# Altium PCB Lay-51943_B.brd.PcbDoc (part 7 of 8)
Units mil, origin at the board's own origin, x right, y up, seen from the top; angles counter-clockwise.
Board outline 2903.05 x 2405.84 mil, 6 copper layers (TOP, L2_GND_1, L3_INT_1, L4_PWR, L5_GND_2, BOTTOM), stack 60.244 mil thick; 568 components, 400 nets, 2143 pads, 1138 vias.
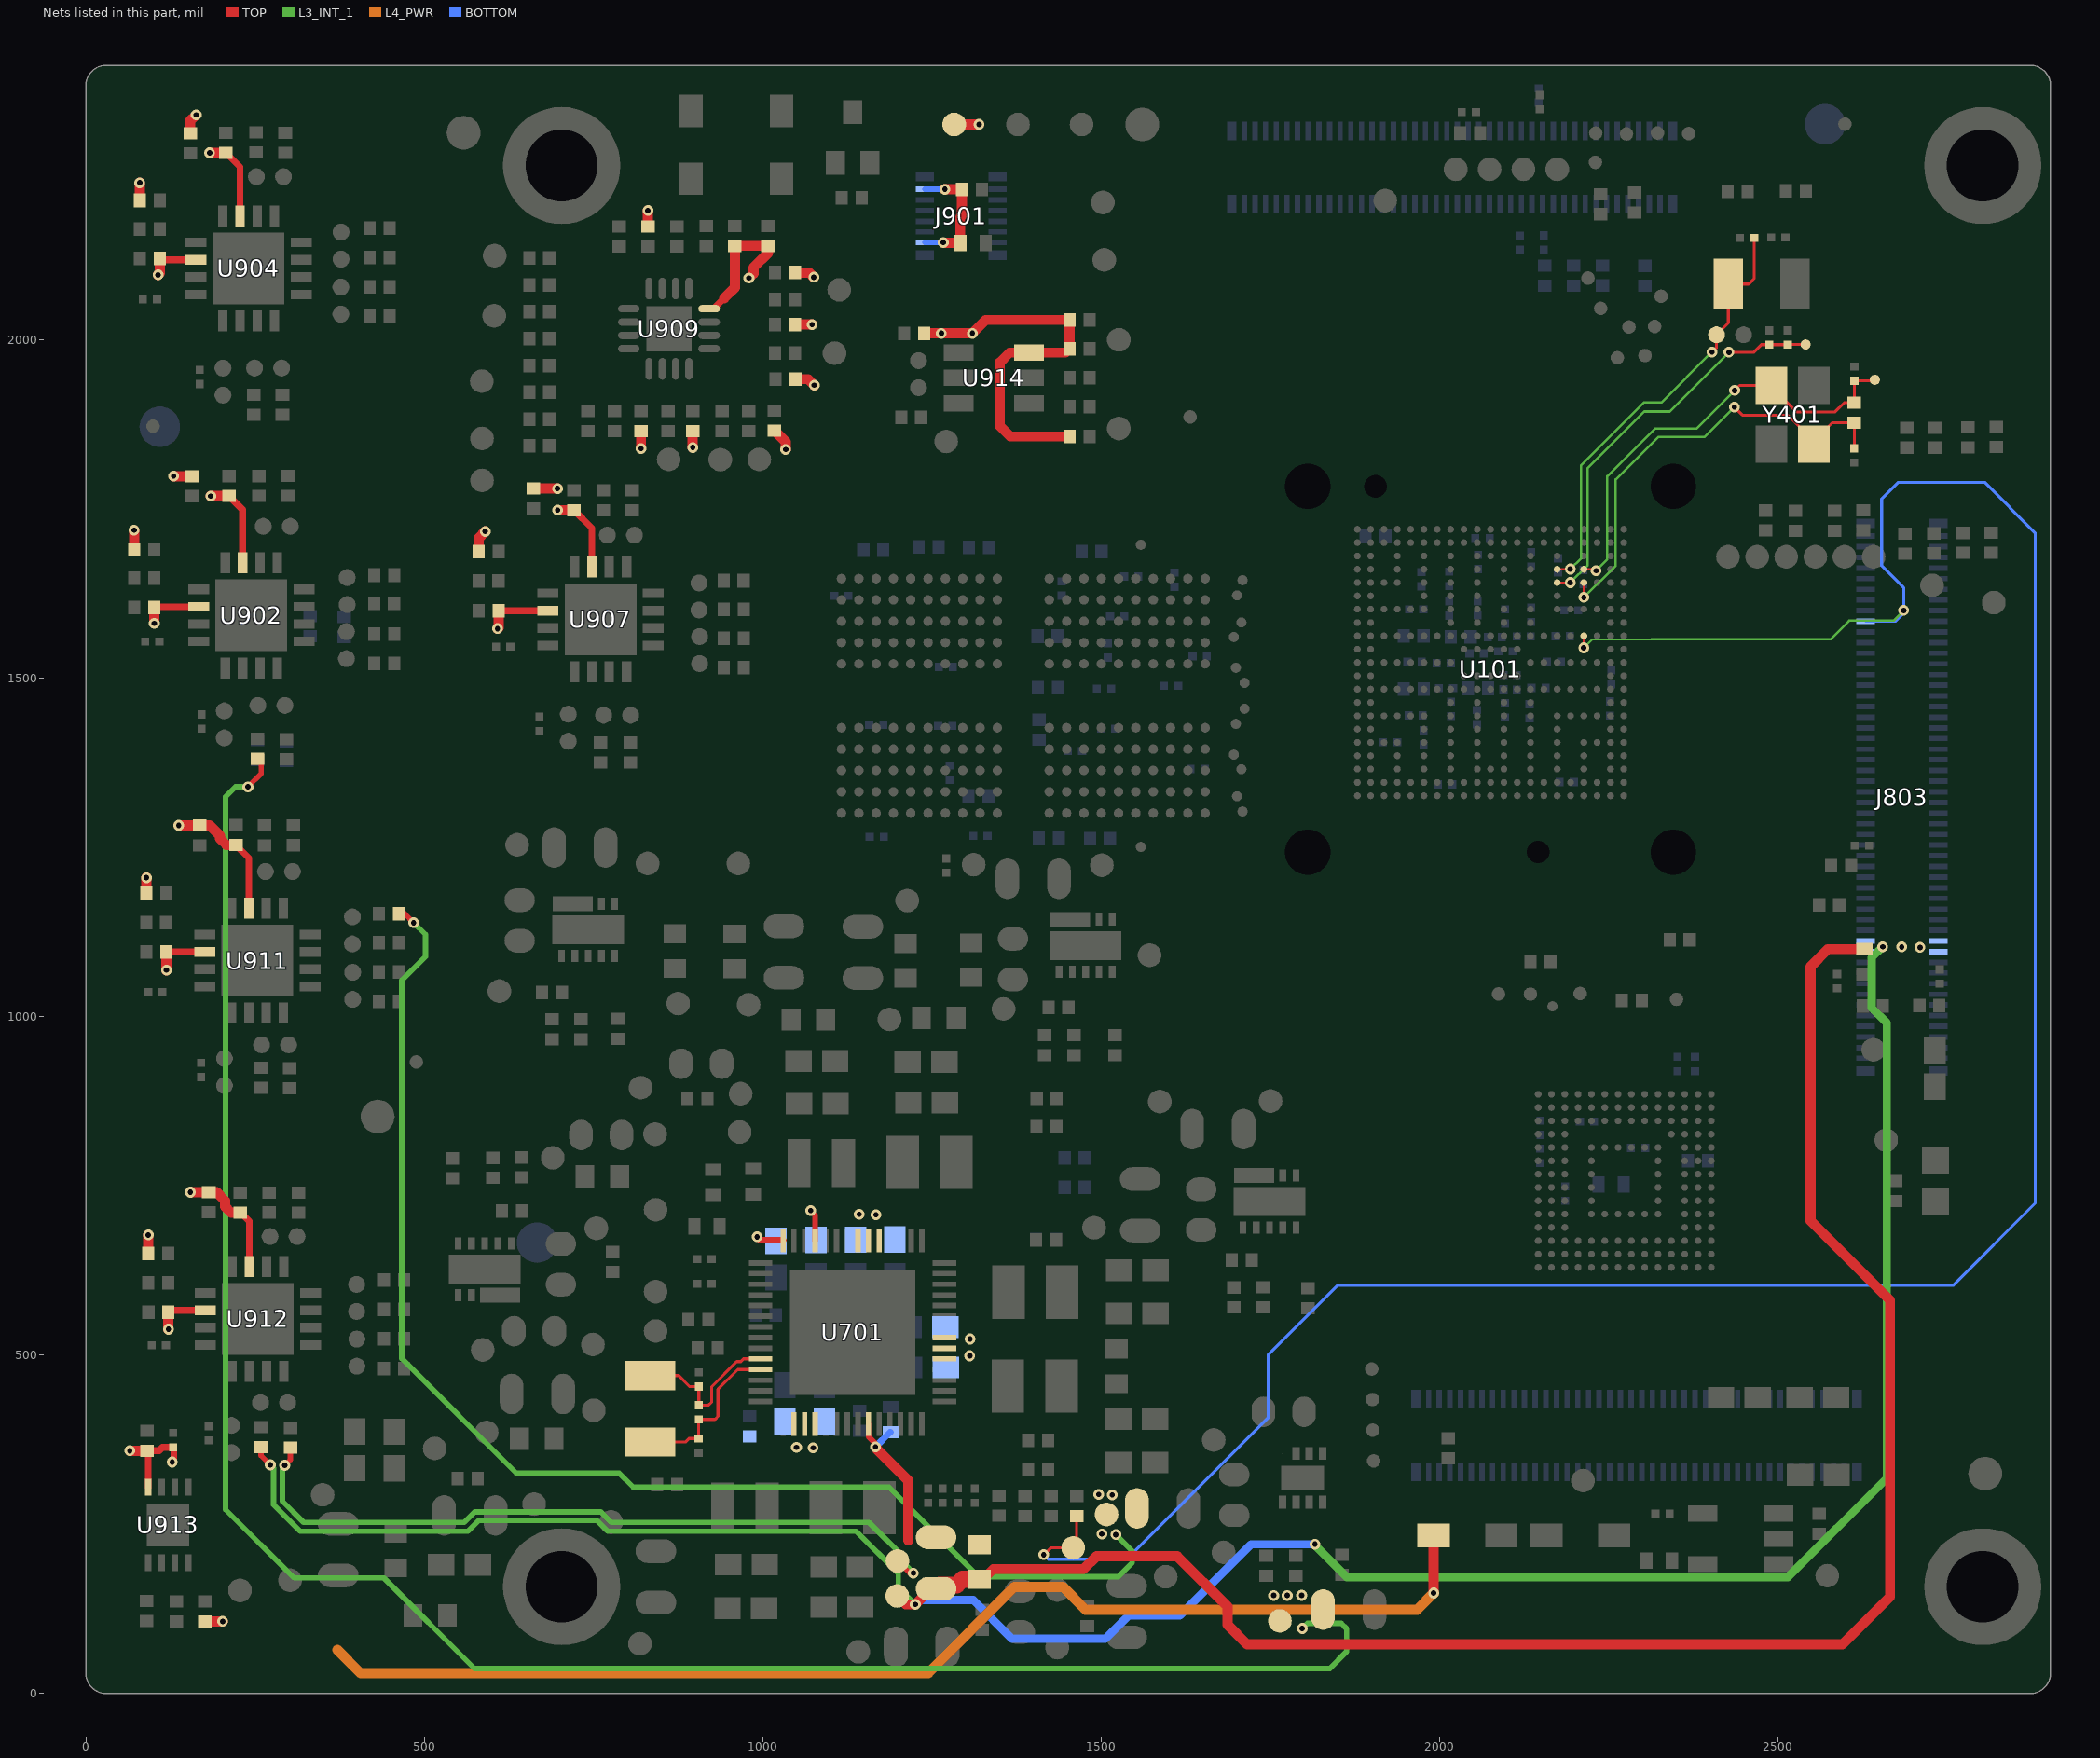
[diagram p11: the nets of this part, all layers, seen from the top]

## Via types
v1: diameter 16, hole 8, TOP to BOTTOM, tented both sides, 1003 vias
v2: diameter 20, hole 10, TOP to BOTTOM, tented both sides, 66 vias
v3: diameter 16, hole 8, TOP to BOTTOM, tented bottom, 63 vias
v4: diameter 56, hole 40, TOP to BOTTOM, 6 vias

## Nets (pads, with @x,y where several pads share a name; then routed paths per layer and width w, separated by ;. In a path a pad name is that pad's centre, name@x,y a point inside that pad or via, vN(x,y) a via of type N, cw(c..) or ccw(c..) an arc to the next point about the centre after c; other vN are vias at no path point) (continued)
VMEAS_3V3: C903.1 C904.1 C911.1 C913.1 C915.1 C916.1 C925.1 C926.1 C928.1 C929.1 C934.1 C937.1 C942.1 C943.1 C944.1 C946.1 C947.1 D902.A J901.1 J901.11 R914.2 R915.2 R934.2 R936.2 R952.1 R953.1 R956.2 R959.2 R975.1 R976.1 R977.1 R994.2 R995.2 R1009.1 R1011.1 R1012.1 R1013.1 R1025.2 R1027.2 R1036.1 R1037.1 TP902.1 U902.2 U902.15 U904.2 U904.15 U907.2 U907.15 U909.12 U911.2 U911.15 U912.2 U912.15 U913.8 U914.6 | length 4607.4
  TOP w10: U913.8@91.96,304.73 91.96,357.33 C943.1@90.49,358.8 108.1,358.8 113.26,363.96 C944.1@128.99,363.96 129.82,363.13 129.82,344.49 v1(127.45,342.12) ; C904.1@101.05,1604.95 102.06,1605.96 U902.2@166.67,1605.96 ; C913.1@109.09,2120.27 110.79,2118.57 U904.2@162.71,2118.57 ; C937.1@119.12,1096.09 119.35,1095.86 U911.2@175.79,1095.86 ; C947.1@121.96,563.74 124.56,566.34 U912.2@176.45,566.34 ; C911.1@207.08,2276.5 227.66,2255.92 U904.15@227.67,2183.53 ; C903.1@211.63,1769.44 231.63,1749.44 U902.15@231.63,1670.92 ; C934.1@221.6,1253.6 240.74,1234.46 U911.15@240.75,1160.82 ; C946.1@228.42,710.76 241.4,697.78 U912.15@241.41,631.3 ; C925.1@609.71,1600.05 U907.2@682.81,1600.03 ; C926.1@721.22,1748.62 747.77,1722.07 U907.15@747.77,1664.99 ; U909.12@920.9,2046.3 927.58,2046.3 943.02,2061.74
  TOP w15: v1(65.01,358.8) C943.1@90.49,358.8 ; R914.2@71.24,1690.53 v1(71.24,1719.01) ; R934.2@79.55,2206.31 v1(79.55,2232.33) ; R994.2@89.49,1183.3 v1(89.49,1205.48) ; R1025.2@92.18,650.28 v1(92.18,677.56) ; v1(101.05,1581.29) C904.1@101.05,1604.95 ; v1(106.71,2096.3) 109.09,2098.68 C913.1@109.09,2120.27 ; v1(119.12,1068.89) C937.1@119.12,1096.09 ; v1(121.96,538.43) C947.1@121.96,563.74 ; v1(129.68,1798.87) R915.2@156.86,1798.87 ; v1(137.1,1282.8) R995.2@167.94,1282.8 183.04,1282.8 198.2,1267.64 198.2,1263.43 208.03,1253.6 C934.1@221.6,1253.6 ; R936.2@154.24,2305.4 154.24,2323.85 v1(163.02,2332.63) ; v1(154.31,740.86) R1027.2@181.62,740.86 193.22,740.86 205.92,728.16 205.92,719.26 214.42,710.76 C946.1@228.42,710.76 ; R1009.1@175.91,106.74 v1(202.12,106.74) ; v1(182.85,2276.5) C911.1@207.08,2276.5 ; v1(184.54,1769.44) C903.1@211.63,1769.44 ; R956.2@580.2,1687.4 580.2,1707.21 v1(590.19,1717.2) ; v1(608.31,1573.61) 609.71,1575.01 C925.1@609.71,1600.05 ; R959.2@661.03,1780.51 v1(696.85,1780.51) ; v1(697.15,1748.62) C926.1@721.22,1748.62 ; v1(820.37,1839.65) R977.1@820.37,1865.64 ; R953.1@830.49,2167.71 v1(830.49,2191.29) ; v1(896.7,1841.14) R976.1@896.7,1865.27 ; 943.02,2061.74 959.04,2077.76 C929.1@959.04,2139.19 C928.1@1007.91,2139.19 1007.91,2128.62 986.69,2107.4 986.69,2098.46 v1(979.85,2091.62) ; R975.1@1017.57,1866.01 1034.1,1849.48 v1(1034.1,1838.15) ; R1036.1@1048.04,2022.88 v1(1073.12,2022.88) ; R952.1@1048.01,2099.59 1068.89,2099.59 v1(1075.7,2092.78) ; R1037.1@1048.62,1942.25 1067.31,1942.25 v1(1076.38,1933.18) ; R1011.1@1238.52,2009.92 v1(1264.02,2009.92) v1(1310.02,2009.92) 1329.76,2029.66 C942.1@1453.47,2029.66 R1013.1@1453.47,1987.26 1447.61,1981.4 U914.6@1393.46,1981.4 1365.14,1981.4 1350.14,1966.4 1350.14,1873.34 1365.92,1857.56 R1012.1@1453.47,1857.56 ; v1(1267.02,2144) 1267.49,2143.53 C915.1@1292.17,2143.53 1292.17,2181.76 1294.51,2184.1 C916.1@1294.51,2222.59 1269.4,2222.59 v1(1269.25,2222.74) ; TP902.1@1283.1,2318.55 v1(1319.88,2318.55) ; v1(1991.65,148.64) D902.A@1991.65,233.67
  L4_PWR w15: 371.77,64.37 405.86,30.28 1244.67,30.28 1371.87,157.48 1443.79,157.48 1477.35,123.92 1966.93,123.92 v1(1991.65,148.64)
  BOTTOM w8: J901.11@1239.67,2144 v1(1267.02,2144) ; J901.1@1239.67,2222.74 v1(1269.25,2222.74)
VSD2_3V3: C807.1 J803.77 J803.78 J803.79 J803.80 R801.2 R967.1 R1031.2 TP945.1 | length 6201.3
  TOP w8: R967.1@258.69,363.94 258.69,351.82 v1(272.54,337.97)
  TOP w15: TP945.1@1198.91,144.28 1211.54,131.65 v1(1225.57,131.65) 1248.7,154.78 R1031.2@1256.38,154.78 ; R801.2@1320.84,168.84 1325.79,168.84 1341.05,184.1 1474.44,184.1 1493.38,203.04 1612.41,203.04 1686.88,128.57 1686.88,101.68 1716,72.56 2595.32,72.56 2666.06,143.3 2666.06,580.82 2548.35,698.53 2548.35,1074.12 2574.26,1100.03 C807.1@2628.06,1100.03
  TOP w25: R1031.2@1256.38,154.78 1261.88,160.28 1286.56,160.28 1295.12,168.84 R801.2@1320.84,168.84
  L3_INT_1 w8: v1(272.54,337.97) 277.31,333.2 277.31,278.95 316.44,239.82 564.51,239.82 580.29,255.6 755.25,255.6 771.03,239.82 1138.28,239.82 1200.38,177.72 1200.38,156.85 1214.25,142.98 v1(1225.57,131.65)
  L3_INT_1 w12: v1(1816.12,220.68) 1816.12,219.1 1863.09,172.13 2515.3,172.13 2661.11,317.94 2661.11,990.97 2638.9,1013.18 2638.9,1087.24 v1(2655.16,1103.5)
  BOTTOM w12: v1(1225.57,131.65) 1232.3,138.38 1310.99,138.38 1368.43,80.94 1506.39,80.94 1540.64,115.19 1616.33,115.19 1721.82,220.68 v1(1816.12,220.68)
  other v1: 2710.3,1102.54 2683.21,1103.18
VSD_3V3: C725.1 R801.1 R957.1 R1031.1 TP944.1 U701.23 | length 1337
  TOP w8: v1(293.84,337.19) 302.19,345.54 R957.1@302.19,363.18 ; U701.23@1156.48,398.12 1156.48,379.64 1166.77,369.35 v1(1166.77,364.41) ; TP944.1@1199.32,196.04 1217.3,178.06 v1(1222.71,178.06)
  TOP w15: v1(1166.77,364.41) 1168.97,362.21 1168.97,360.53 1215.19,314.31 1215.19,226.31
  L3_INT_1 w8: v1(293.84,337.19) 290.31,333.66 290.31,284.35 321.84,252.82 559.11,252.82 574.89,268.6 760.64,268.6 776.42,252.82 1157.28,252.82 1211.39,198.71 1211.39,189.38 v1(1222.71,178.06)
  BOTTOM w10: v1(1166.77,364.41) 1188.47,386.11 C725.1@1189.12,386.11
VSYS_5V: C701.2 C702.2 C704.1 C709.2 C712.2 C713.2 C718.2 C721.2 C726.1 R802.1 R904.2 R916.1 R984.1 TP607.1 TP921.1 U701.16 U701.17 U701.18 U701.33 U701.34 U701.35 U701.47 U701.48 U701.49 U701.53 U701.56 | length 5067.4
  TOP w8: v1(239.54,1339.84) 259.1,1359.4 259.1,1375.36 R916.1@253.35,1381.11 ; R984.1@462.7,1152.62 470.74,1152.62 v1(484.35,1139.01) ; v1(1071.11,713.62) 1077.74,706.99 U701.53@1077.74,669.78
  TOP w10: v1(991.77,674.85) 996.84,669.78 U701.56@1030.5,669.78
  L3_INT_1 w8: v1(239.54,1339.84) 221.23,1339.84 206.47,1325.08 206.47,271.92 307.56,170.83 440.37,170.83 574.2,37 1838.11,37 1863.13,62.02 1863.13,95.95 1855.13,103.95 1805.16,103.95 v1(1797.41,96.2) ; v1(484.35,1139.01) 501.71,1121.65 501.71,1089.05 466.94,1054.28 466.94,494.91 636.2,325.65 788.11,325.65 808.83,304.93 1186.76,304.93 1318.89,172.8 1525.43,172.8 1546.1,193.47 1546.1,210.63 v1(1521.97,234.76)
  other v1: 1755.21,144.94 1775.21,144.94 1796.5,145.2 1501.23,235.65 1516.68,293.44 1496.69,294.19 1050.01,363.65 1074.72,363.06 1306.01,499.16 1306.6,523.87 1167.38,707.49 1142.67,708.08
WDOG_B: J803.17 R710.1 TP916.1 U101.J18 | length 3852.9
  TOP w3.6: v1(2213.3,1545.21) 2213.52,1545.43 U101.J18@2213.52,1562.85
  TOP w4.4: v1(1415.41,205.17) 1425.48,215.24 TP916.1@1459.01,215.24 1464.07,220.3 R710.1@1464.07,262.36
  L3_INT_1 w3.2: v1(2213.3,1545.21) 2225.79,1557.7 2313.43,1557.7
  L3_INT_1 w3.6: 2313.43,1557.7 2578.16,1557.7 2605.8,1585.34 2671.11,1585.34 v1(2686.22,1600.45)
  BOTTOM w4.4: v1(1415.41,205.17) 1421.99,198.59 1538.08,198.59 1747.22,407.73 1747.22,500.91 1849.84,603.53 2759.64,603.53 2880.4,724.29 2880.4,1715.22 2805.85,1789.77 2678.27,1789.77 2653.69,1765.19 2653.69,1666.7 2686.22,1634.17 v1(2686.22,1600.45) 2686.22,1596.32 2674.32,1584.42 J803.17@2629.85,1584.42
XIN_32K: C716.1 QZ701.2 R720.1 U701.10 | length 239.6
  TOP w4.4: QZ701.2@833.36,469.96 875.91,469.96 892.36,453.51 C716.1@905.59,453.51 C716.1@905.59,453.51 R720.1@905.64,426.19 920.32,426.19 924.72,430.59 924.72,453.56 961.74,490.58 967.71,490.58 971.71,494.58 U701.10@997.03,494.58
XOUT_32K: C717.1 QZ701.1 R720.2 U701.11 | length 248.1
  TOP w4.4: QZ701.1@833.36,371.54 885.92,371.54 891.33,376.95 C717.1@905.53,376.95 905.53,405.06 R720.2@905.64,405.17 929.72,405.17 934.12,409.57 934.12,449.65 963.3,478.83 U701.11@997.03,478.83
XTALI_24M: C403.1 R414.1 TP417.1 U101.D18 Y401.1 | length 672.5
  TOP w3.2: U101.D18@2213.52,1661.28 2229.58,1661.28 v1(2231.64,1659.22)
  TOP w4.4: v1(2436.31,1925.46) 2443.78,1932.93 Y401.1@2490.52,1932.93 2490.52,1930.56 2527.33,1893.75 2584.7,1893.75 2598.4,1907.45 R414.1@2613.18,1907.45 2613.33,1907.6 C403.1@2613.33,1939.81 2642.13,1939.81 TP417.1@2643.57,1941.25
  L3_INT_1 w3.6: v1(2231.64,1659.22) 2248.23,1675.81 2248.23,1798.85 2318.41,1869.03 2379.88,1869.03 v1(2436.31,1925.46)
XTALI_32K: R411.2 R412.1 TP412.1 U101.E16 | length 596.9
  TOP w3.2: U101.E16@2174.15,1641.59 v1(2193.39,1641.59)
  TOP w4.4: v1(2427.94,1981.99) 2464.78,1981.99 2475.95,1993.16 R412.1@2487.8,1993.16 2514.61,1993.16 R411.2@2514.69,1993.08 2515,1993.39 TP412.1@2541.26,1993.39
  L3_INT_1 w3.6: v1(2193.39,1641.59) 2219.21,1667.41 2219.21,1810.88 2302.75,1894.42 2340.37,1894.42 v1(2427.94,1981.99)
XTALO_24M: C404.1 R414.2 U101.E18 Y401.3 | length 686.9
  TOP w3.2: v1(2213.52,1619.77) U101.E18@2213.52,1641.59
  TOP w4.4: v1(2435.99,1900.92) 2447.95,1888.96 2514.89,1888.96 Y401.3@2553.52,1850.33 ; Y401.3@2553.52,1846.31 Y401.3@2553.52,1850.33 ; C404.1@2613.11,1839.9 2613.18,1839.97 R414.2@2613.18,1877.93 2581,1877.93 2553.52,1850.45 Y401.3@2553.52,1850.33
  L3_INT_1 w3.6: v1(2213.52,1619.77) 2260.47,1666.72 2260.47,1793.78 2323.48,1856.79 2391.86,1856.79 v1(2435.99,1900.92)
XTALO_32K: C402.1 QZ401.1 R413.2 U101.D16 | length 654.1
  TOP w3.2: U101.D16@2174.15,1661.28 2193.08,1661.28 v1(2193.39,1661.59)
  TOP w4.4: v1(2402.84,1982.2) 2409.64,1989 R413.2@2409.64,2007.75 2427.12,2025.23 QZ401.1@2427.12,2082.69 2457.12,2082.69 2465.25,2090.82 C402.1@2465.25,2150.92
  L3_INT_1 w3.6: v1(2193.39,1661.59) 2209.53,1677.73 2209.53,1814.89 2302.37,1907.73 2328.37,1907.73 v1(2402.84,1982.2)
pads on no net: J801. J802. J803. J901. J901.8 U101. U201.A1 U201.A2 U201.A8 U201.A11 U201.A12 U201.AA1 U201.AA2 U201.AA4 U201.AA9 U201.AA11 U201.AA12 U201.AB1 U201.AB2 U201.AB11 U201.AB12 U201.B1 U201.B12 U201.G11 U201.K5 U201.K8 U201.N5 U201.N8 U201.P2 U201.P4 U201.P5 U201.P8 U201.P9 U201.P11 U201.R2 U201.R3 U201.R4 U201.R9 U201.R10 U201.R11 U201.T2 U201.U2 U201.U4 U201.U9 U201.U11 U201.V2 U201.V3 U201.V4 U201.V9 U201.V10 U201.V11 U201.W3 U201.W10 U201.Y2 U201.Y3 U201.Y4 U201.Y9 U201.Y10 U201.Y11 U501.A1 U501.A2 U501.A7 U501.A8 U501.A9 U501.A10 U501.A11 U501.A12 U501.A13 U501.A14 U501.B1 U501.B7 U501.B8 U501.B9 U501.B10 U501.B11 U501.B12 U501.B13 U501.B14 U501.C1 U501.C3 U501.C5 U501.C7 U501.C8 U501.C9 U501.C10 U501.C11 U501.C12 U501.C13 U501.C14 U501.D1 U501.D2 U501.D3 U501.D4 U501.D12 U501.D13 U501.D14 U501.E1 U501.E2 U501.E3 U501.E5 U501.E8 U501.E9 U501.E10 U501.E12 U501.E13 U501.E14 U501.F1 U501.F2 U501.F3 U501.F10 U501.F12 U501.F13 U501.F14 U501.G1 U501.G2 U501.G3 U501.G10 U501.G12 U501.G13 U501.G14 U501.H1 U501.H2 U501.H3 U501.H12 U501.H13 U501.H14 U501.J1 U501.J2 U501.J3 U501.J12 U501.J13 U501.J14 U501.K1 U501.K2 U501.K3 U501.K6 U501.K7 U501.K10 U501.K12 U501.K13 U501.K14 U501.L1 U501.L2 U501.L3 U501.L12 U501.L13 U501.L14 U501.M1 U501.M2 U501.M3 U501.M7 U501.M8 U501.M9 U501.M10 U501.M11 U501.M12 U501.M13 U501.M14 U501.N1 U501.N3 U501.N6 U501.N7 U501.N8 U501.N9 U501.N10 U501.N11 U501.N12 U501.N13 U501.N14 U501.P1 U501.P2 U501.P7 U501.P8 U501.P9 U501.P10 U501.P11 U501.P12 U501.P13 U501.P14 U903.2 U906.2 U908.2 U910.2

## Polygon pours and split planes (outlines as drawn)
VMEAS_3V3 on L4_PWR "L4_PWR-VMEAS_3V3" (solid, pour order 100): 19 vertices, not listed, extent 22.62,40.8 1365,2382.6
VDD_ANA_1P8 on L4_PWR "L4_PWR-VDD_ANA_1P8" (solid, pour order 99): 33 vertices, not listed, extent 387.56,37.92 2700.4,1787.63
GND on L4_PWR "L4_PWR-GND" (solid, pour order 98): 17 vertices, not listed, extent 1377.77,997.23 2883.04,2385.83
VDD_SOC on L4_PWR "L4_PWR-VDD_SOC" (solid, pour order 94): 24 vertices, not listed, extent 1513.58,639.54 2447.94,1590.53
VDD2_DDR on L4_PWR "L4_PWR-VDD2_DDR" (solid, pour order 93): 40 vertices, not listed, extent 653.63,764.85 2028.07,1549.51
VDD_3V3 on L4_PWR "L4_PWR-VDD_3V3" (solid, pour order 90): 20 vertices, not listed, extent 1291.82,20.01 2883.04,981.31
VDDQ_DDR on L4_PWR "L4_PWR-VDDQ_DDR" (solid, pour order 83): 33 vertices, not listed, extent 1241.09,1025.08 2005.31,1786.55
LPD4/X_VDD2 on L4_PWR "L4_PWR-LPD4/X_VDD2" (solid, pour order 92): 39 vertices, not listed, extent 882.87,1156.5 1715.59,1971.42
LPD4/X_VDD1 on L4_PWR "L4_PWR-LPD4/X_VDD1" (solid, pour order 91): 20 vertices, not listed, extent 393.03,333.48 871.15,1520.09
VSYS_5V on L4_PWR "L4_PWR-VSYS_5V 1" (solid, pour order 84): 839.55,760.22 1392.94,760.22 1423.38,729.78 1423.38,567.79 1180.92,325.33 866.73,325.33 825.41,366.65 825.41,746.08
VSYS_5V on L4_PWR "L4_PWR-VSYS_5V" (solid, pour order 82): 1488.08,301.08 2584.38,301.08 2609.01,276.45 2609.01,152.34 2593.12,136.45 1525.43,136.45 1473.36,188.52 1473.36,286.36
LPD4/X_VDDQ on L4_PWR "L4_PWR-LPD4/X_VDDQ" (solid, pour order 78): 25 vertices, not listed, extent 1124.27,1154.94 1649.76,1697.64
LPD4/X_VDD2_1V1 on TOP "TOP-LPD4/X_VDD2_1V1" (solid, pour order 72): 34 vertices, not listed, extent 528.54,746.85 1074.44,1219.23
LPD4/X_VDDQ_0V6 on TOP "TOP-LPD4/X_VDDQ_0V6" (solid, pour order 68): 29 vertices, not listed, extent 1078.66,976.74 1593.1,1126.73
S1_VSYS_5V on TOP "TOP-S1_VSYS_5V" (solid, pour order 59): 29 vertices, not listed, extent 1600.6,212.61 1795.52,450.42
NVCC_BBSM_1V8 on TOP "TOP-NVCC_BBSM_1V8" (solid, pour order 58): 27 vertices, not listed, extent 538.07,611.43 890.25,715.48
S1_NVCC_BBSM_1V8 on TOP "TOP-S1_NVCC_BBSM_1V8" (solid, pour order 41): 19 vertices, not listed, extent 563.1,489.92 723.99,619.65
VDD_ANA_0P8 on TOP "TOP-VDD_ANA_0P8" (solid, pour order 36): 752.13,860.06 752.13,757.18 744.39,749.44 668.87,749.44 659.19,759.12 659.19,866.2 662.51,869.52 742.67,869.52
NVCC_SD on TOP "TOP-NVCC_SD" (solid, pour order 14): 918.2,953.16 965.79,953.16 987.49,931.46 987.49,869.27 914.86,869.27 912.78,871.35 912.78,947.74
VDD_USB_3P3 on TOP "TOP-VDD_USB_3P3" (solid, pour order 11): 1365.64,174.33 1442.86,174.33 1452.46,164.73 1452.46,127.17 1447.03,121.74 1373.15,121.74 1356.04,138.85 1356.04,164.73
BB_VSYS_5V on TOP "TOP-BB_VSYS_5V" (solid, pour order 77): 51 vertices, not listed, extent 1665.32,70.49 2665.22,462.2
VDD_1V8 on TOP "TOP-VDD_1V8 1" (solid, pour order 70): 32 vertices, not listed, extent 559.24,160.96 892.38,474.14
VDD_SOC_0V8 on TOP "TOP-VDD_SOC_0V8" (solid, pour order 66): 36 vertices, not listed, extent 1417.93,493.44 1819.84,761.59
VDD_1P8 on TOP "TOP-VDD_1P8" (solid, pour order 65): 921.09,313.02 961.14,313.02 969.34,304.82 969.34,48.6 956.8,36.06 822.66,36.06 821.45,37.26 804.09,37.26 789.37,51.98 789.37,140.29 801.91,152.83 817.83,152.83 872.36,152.83 900.83,181.3 900.83,292.76
VDD_3P3 on TOP "TOP-VDD_3P3" (solid, pour order 62): 22 vertices, not listed, extent 1060.59,38.95 1219.3,318.85
VDD_3V3 on TOP "TOP-VDD_3V3 1" (solid, pour order 61): 18 vertices, not listed, extent 1246.67,46.56 1610.53,108.62
VDD_ANA_1P8 on TOP "TOP-VDD_ANA_1P8" (solid, pour order 56): 17 vertices, not listed, extent 316.74,222.5 483.5,351.37
VDD_SOC on TOP "TOP-VDD_SOC" (solid, pour order 55): 19 vertices, not listed, extent 1515.93,743.31 1653.85,894.53
VDD2_DDR on TOP "TOP-VDD2_DDR" (solid, pour order 54): 882.87,1106.92 827.57,1106.92 816.99,1117.5 816.99,1198.68 798.84,1216.84 765.37,1216.84 746.4,1235.81 746.4,1246.33 746.4,1273.22 757.97,1284.79 866.34,1284.79 890.54,1260.59 890.54,1114.59
VDDQ_DDR on TOP "TOP-VDDQ_DDR" (solid, pour order 49): 17 vertices, not listed, extent 1255.2,1092.23 1379.91,1248.11
S1_VDD_SOC_0V8 on TOP "TOP-S1_VDD_SOC_0V8" (solid, pour order 47): 24 vertices, not listed, extent 1625.67,727.64 1776.6,892.95
S1_CPU_VDD2_DDR on TOP "TOP-S1_CPU_VDD2_DDR" (solid, pour order 46): 18 vertices, not listed, extent 602.16,1154.77 750.32,1281.56
LPD4/X_VDD1 on TOP "TOP-LPD4/X_VDD1" (solid, pour order 45): 655.17,397.22 655.17,359.98 648.7,353.51 598.7,353.51 561.83,353.51 545.04,370.3 545.04,478.65 549.14,482.74 631.19,482.74 649.78,464.15 649.78,402.61
VDD_ANA_1V8 on TOP "TOP-VDD_ANA_1V8" (solid, pour order 43): 21 vertices, not listed, extent 345.48,94.59 548,209.03
S1_CPU_VDDQ_DDR on TOP "TOP-S1_CPU_VDDQ_DDR" (solid, pour order 39): 23 vertices, not listed, extent 1344.26,1095.92 1511.95,1238.28
LPD4/X_VDDQ on TOP "TOP-LPD4/X_VDDQ" (solid, pour order 38): 1227.06,1092.41 1205.5,1092.41 1193.08,1092.41 1192.87,1092.2 1186.28,1098.79 1186.28,1110.86 1182.88,1114.27 1131.39,1114.27 1125.21,1120.45 1125.21,1210.56 1130.99,1216.34 1228.64,1216.34 1232.32,1212.66 1232.32,1097.67
NVCC_3P3 on TOP "TOP-NVCC_3P3" (solid, pour order 33): 1510.94,193.31 1619.1,193.31 1629.09,183.32 1629.09,141.05 1618.05,130.01 1499.99,130.01 1487.89,117.91 1470,117.91 1464.74,123.17 1464.74,148.94 1465.22,149.42 1465.22,167.24 1491.29,193.31
NVCC_1P8 on TOP "TOP-NVCC_1P8" (solid, pour order 31): 498.32,380.95 522.11,380.95 557.17,345.89 557.17,246.13 538.81,227.77 498.32,227.77 489.14,236.95 489.14,371.77
VSD_3V3 on TOP "TOP-VSD_3V3" (solid, pour order 20): 1229.26,249.33 1322.24,249.33 1337.45,234.12 1337.45,205.37 1336.18,204.1 1240.25,204.1 1235.82,208.53 1232.1,204.81 1232.1,175.17 1226.68,169.75 1198.29,169.75 1182.01,186.03 1182.01,207.73 1219.36,245.08 1225.01,245.08
VSYS_5V on TOP "TOP-VSYS_5V 3" (solid, pour order 17): 1814.47,154.33 1839.87,154.33 1848.29,145.91 1848.29,95.42 1840.92,88.05 1753.07,88.05 1738.88,102.24 1738.88,128.55 1738.88,149.39 1743.9,154.41 1814.39,154.41
GND on TOP "TOP-GND 1" (solid, pour order 87): 30 vertices, not listed, extent 19.48,20.01 2883.04,2385.83
GND on TOP "TOP-GND 2" (solid, pour order 67): 23 vertices, not listed, extent 1557.72,322.18 1754.01,651.53
NetC710_1 on TOP "TOP-N113527183" (solid, pour order 60): 1415.78,499.88 1475.86,499.88 1498.74,477 1540.57,477 1545.94,471.63 1545.94,323.62 1543.06,320.74 1475.85,320.74 1434.01,362.58 1414.35,362.58 1412.56,364.37 1412.56,496.66
NVCC_BBSM_1P8 on TOP "TOP-NVCC_BBSM_1P8" (solid, pour order 37): 19 vertices, not listed, extent 671.61,486.76 790.93,632.53
NVCC_SD2 on TOP "TOP-NVCC_SD2 1" (solid, pour order 32): 2632.79,1261.49 2674.77,1261.49 2685.87,1250.39 2685.87,1174.16 2656.91,1145.2 2590.81,1145.2 2581.16,1154.85 2581.16,1177.05 2599.98,1195.87 2599.98,1234.96 2603.83,1238.81 2622.65,1238.81 2627.48,1243.64 2627.48,1256.18
LPD4X_VDDQ_0V6 on TOP "TOP-LPD4X_VDDQ_0V6" (solid, pour order 63): 21 vertices, not listed, extent 1247.97,732.35 1390.1,1017.78
GND on TOP "TOP-GND 4" (solid, pour order 53): 1089.74,963.66 1223.27,963.66 1235.62,951.31 1235.62,857.18 1223.86,845.42 1097.97,845.42 1087.97,855.42 1087.97,961.89
GND on TOP "TOP-GND 8" (solid, pour order 52): 989.58,214.2 1103.1,214.2 1109.78,207.52 1109.78,105.59 1092.41,88.22 993.77,88.22 981.71,100.28 981.71,108.36 981.71,206.33
LPD4/X_VDD2 on TOP "TOP-LPD4/X_VDD2" (solid, pour order 51): 995.63,1107.02 950.39,1107.02 942.51,1114.9 942.51,1202.66 943.76,1203.91 943.76,1238.75 955.77,1250.76 1023.8,1250.76 1049.81,1224.75 1058.75,1215.81 1058.75,1124.28 1051.92,1117.45 1006.06,1117.45
GND on TOP "TOP-GND 3" (solid, pour order 50): 2629.97,922.43 2710.3,922.43 2716.67,916.06 2753.97,916.06 2762.9,907.13 2762.9,849.75 2762.9,772.88 2754.82,764.8 2712.74,764.8 2699.36,778.18 2699.36,827.75 2683.42,843.69 2640.18,843.69 2627.42,856.45 2627.42,919.88
GND on TOP "TOP-GND 5" (solid, pour order 48): 2451.17,466.66 2543.48,466.66 2552.42,457.72 2552.42,307.63 2542.95,298.16 2487.72,298.16 2467.73,318.15 2467.73,402.84 2449.59,420.98 2449.59,465.08
GND on TOP "TOP-GND" (solid, pour order 44): 338.32,447.98 480.33,447.98 493.01,435.3 493.01,379.51 479.06,365.56 341.28,365.56 328.6,378.24 328.6,438.26
GND on TOP "TOP-GND 7" (solid, pour order 35): 21 vertices, not listed, extent 1889.57,1356.39 2062.49,1690.12
VDD_3V3 on TOP "TOP-VDD_3V3" (solid, pour order 34): 2629.33,1000.21 2758.45,1000.21 2769.6,989.06 2769.6,932.96 2764.81,928.17 2629.98,928.17 2622.64,935.51 2622.64,993.52